# Altium PCB PCB4.PcbDoc (part 1 of 3)
Units mm, origin at the board's own origin, x right, y up, seen from the top; angles counter-clockwise.
Board outline 169 x 84.7 mm, 4 copper layers (Top Layer, GND, POWER, Bottom Layer), stack 1.564 mm thick; 189 components, 194 nets, 860 pads, 455 vias.
Unrouted connection lines stored in the file: 195.
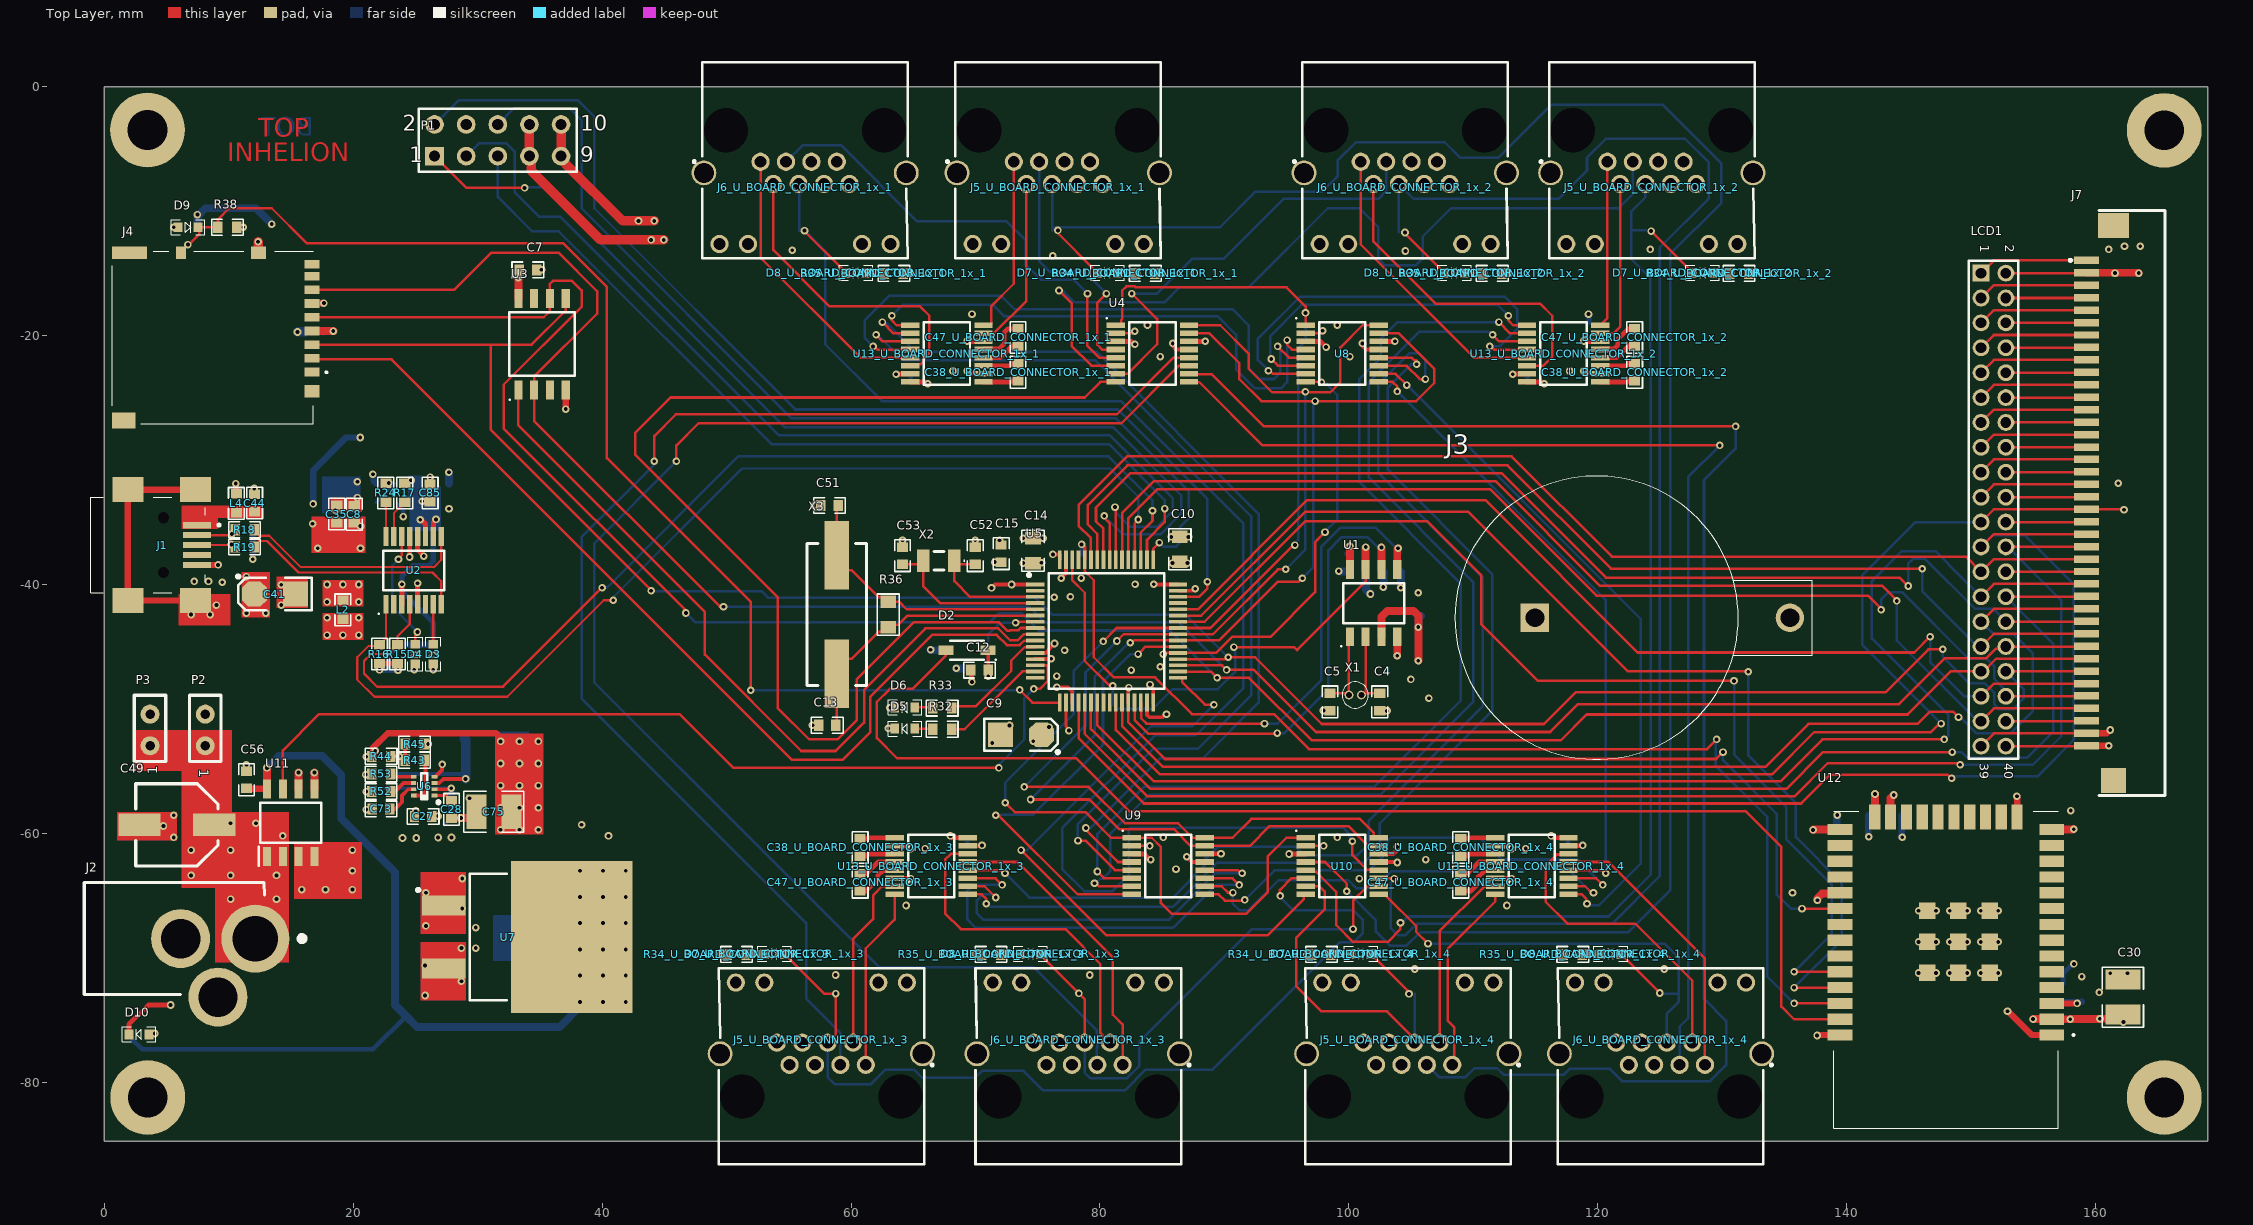
[diagram p0: Top Layer view]
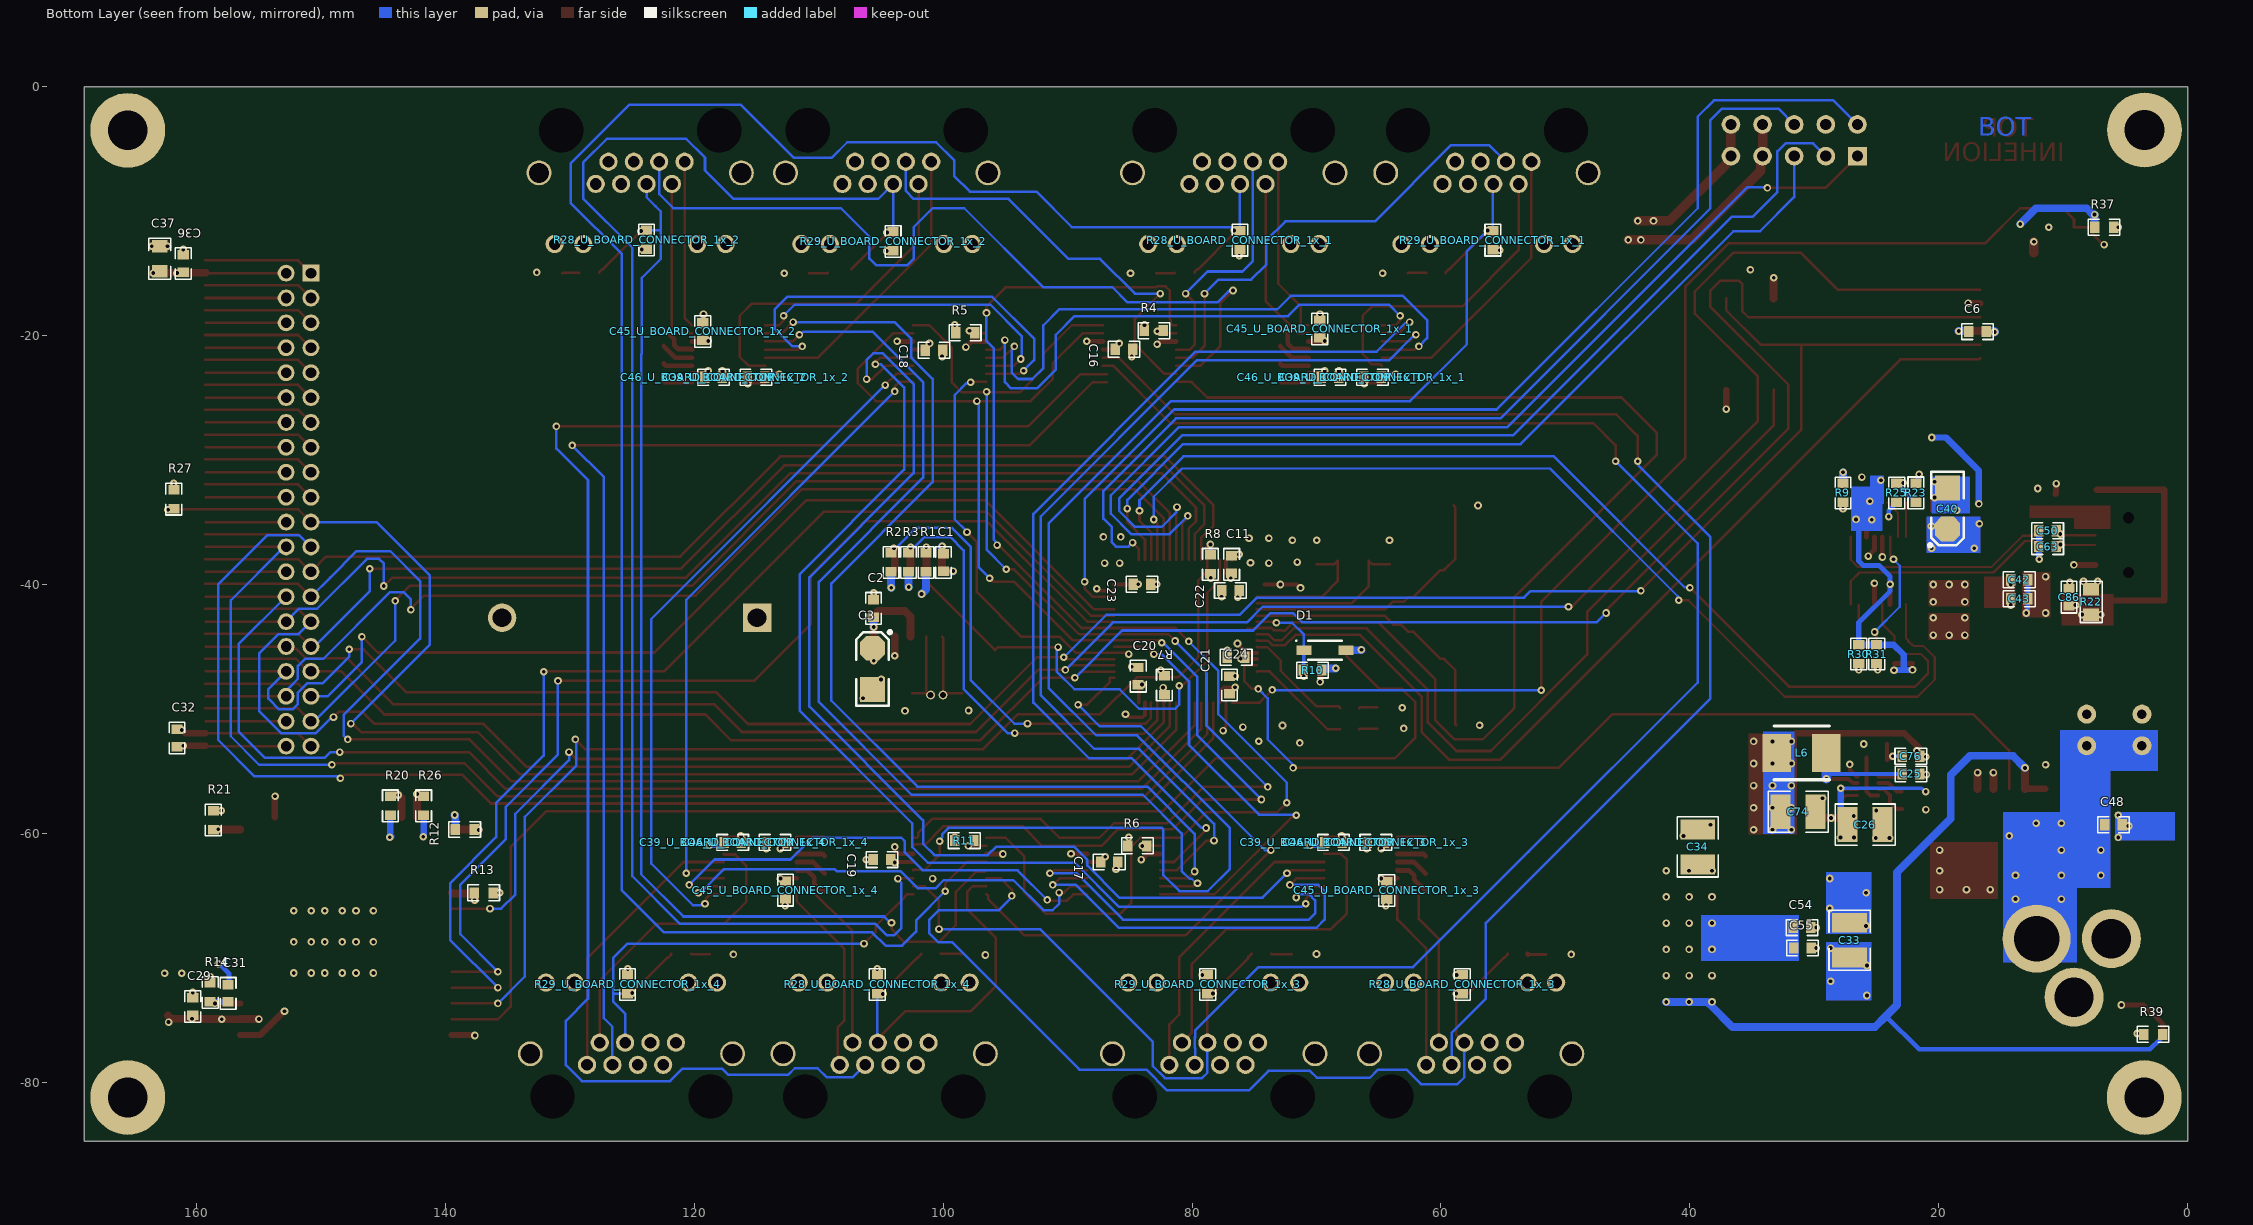
[diagram p1: Bottom Layer view, seen from below]
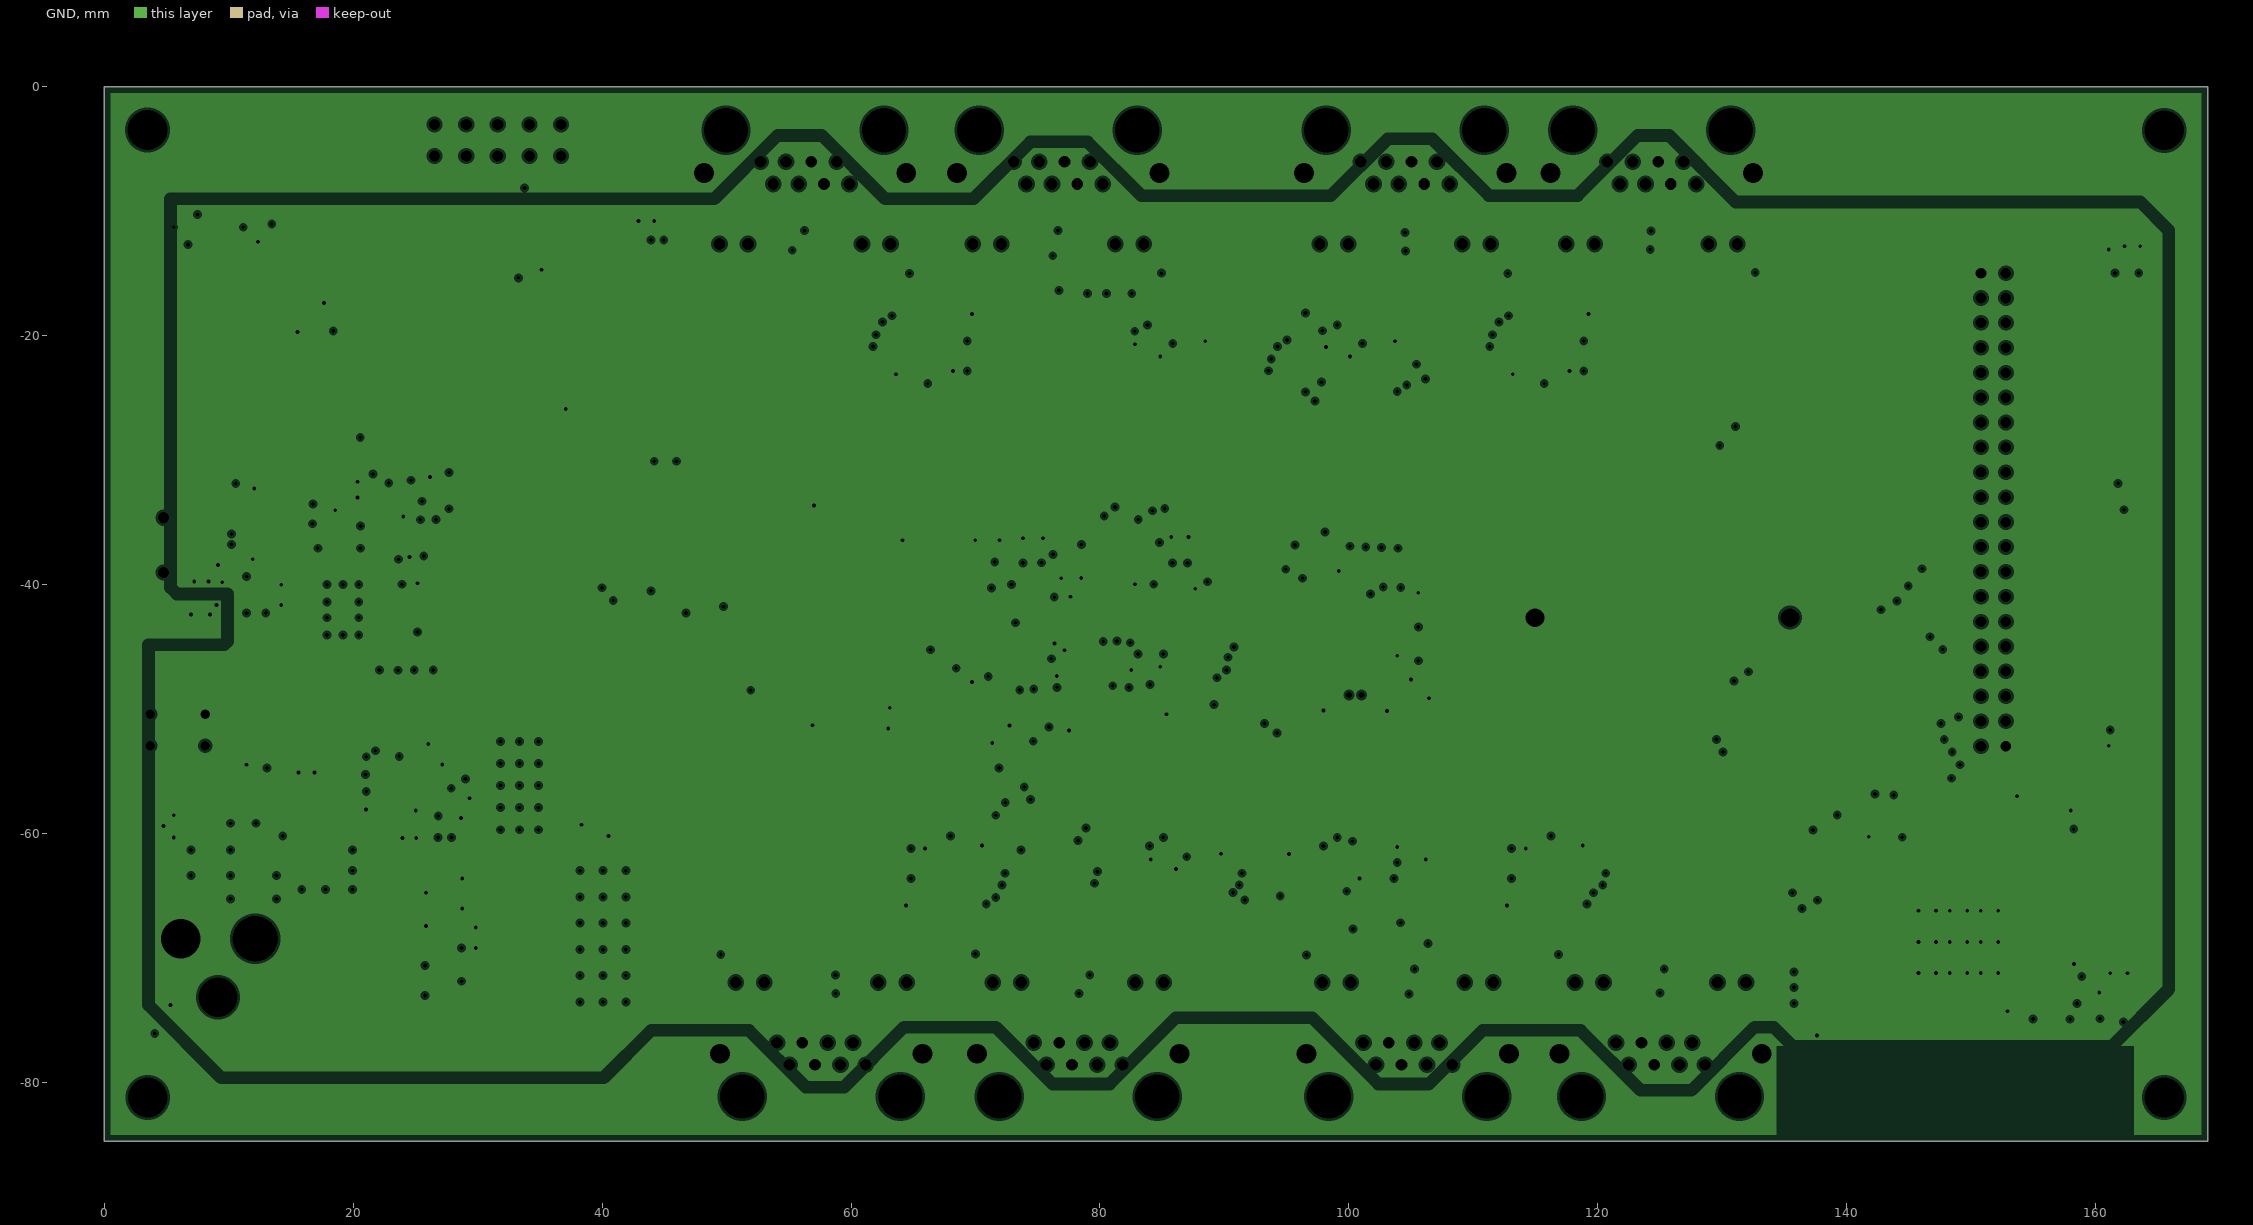
[diagram p2: GND, clearances drawn from the general rule]
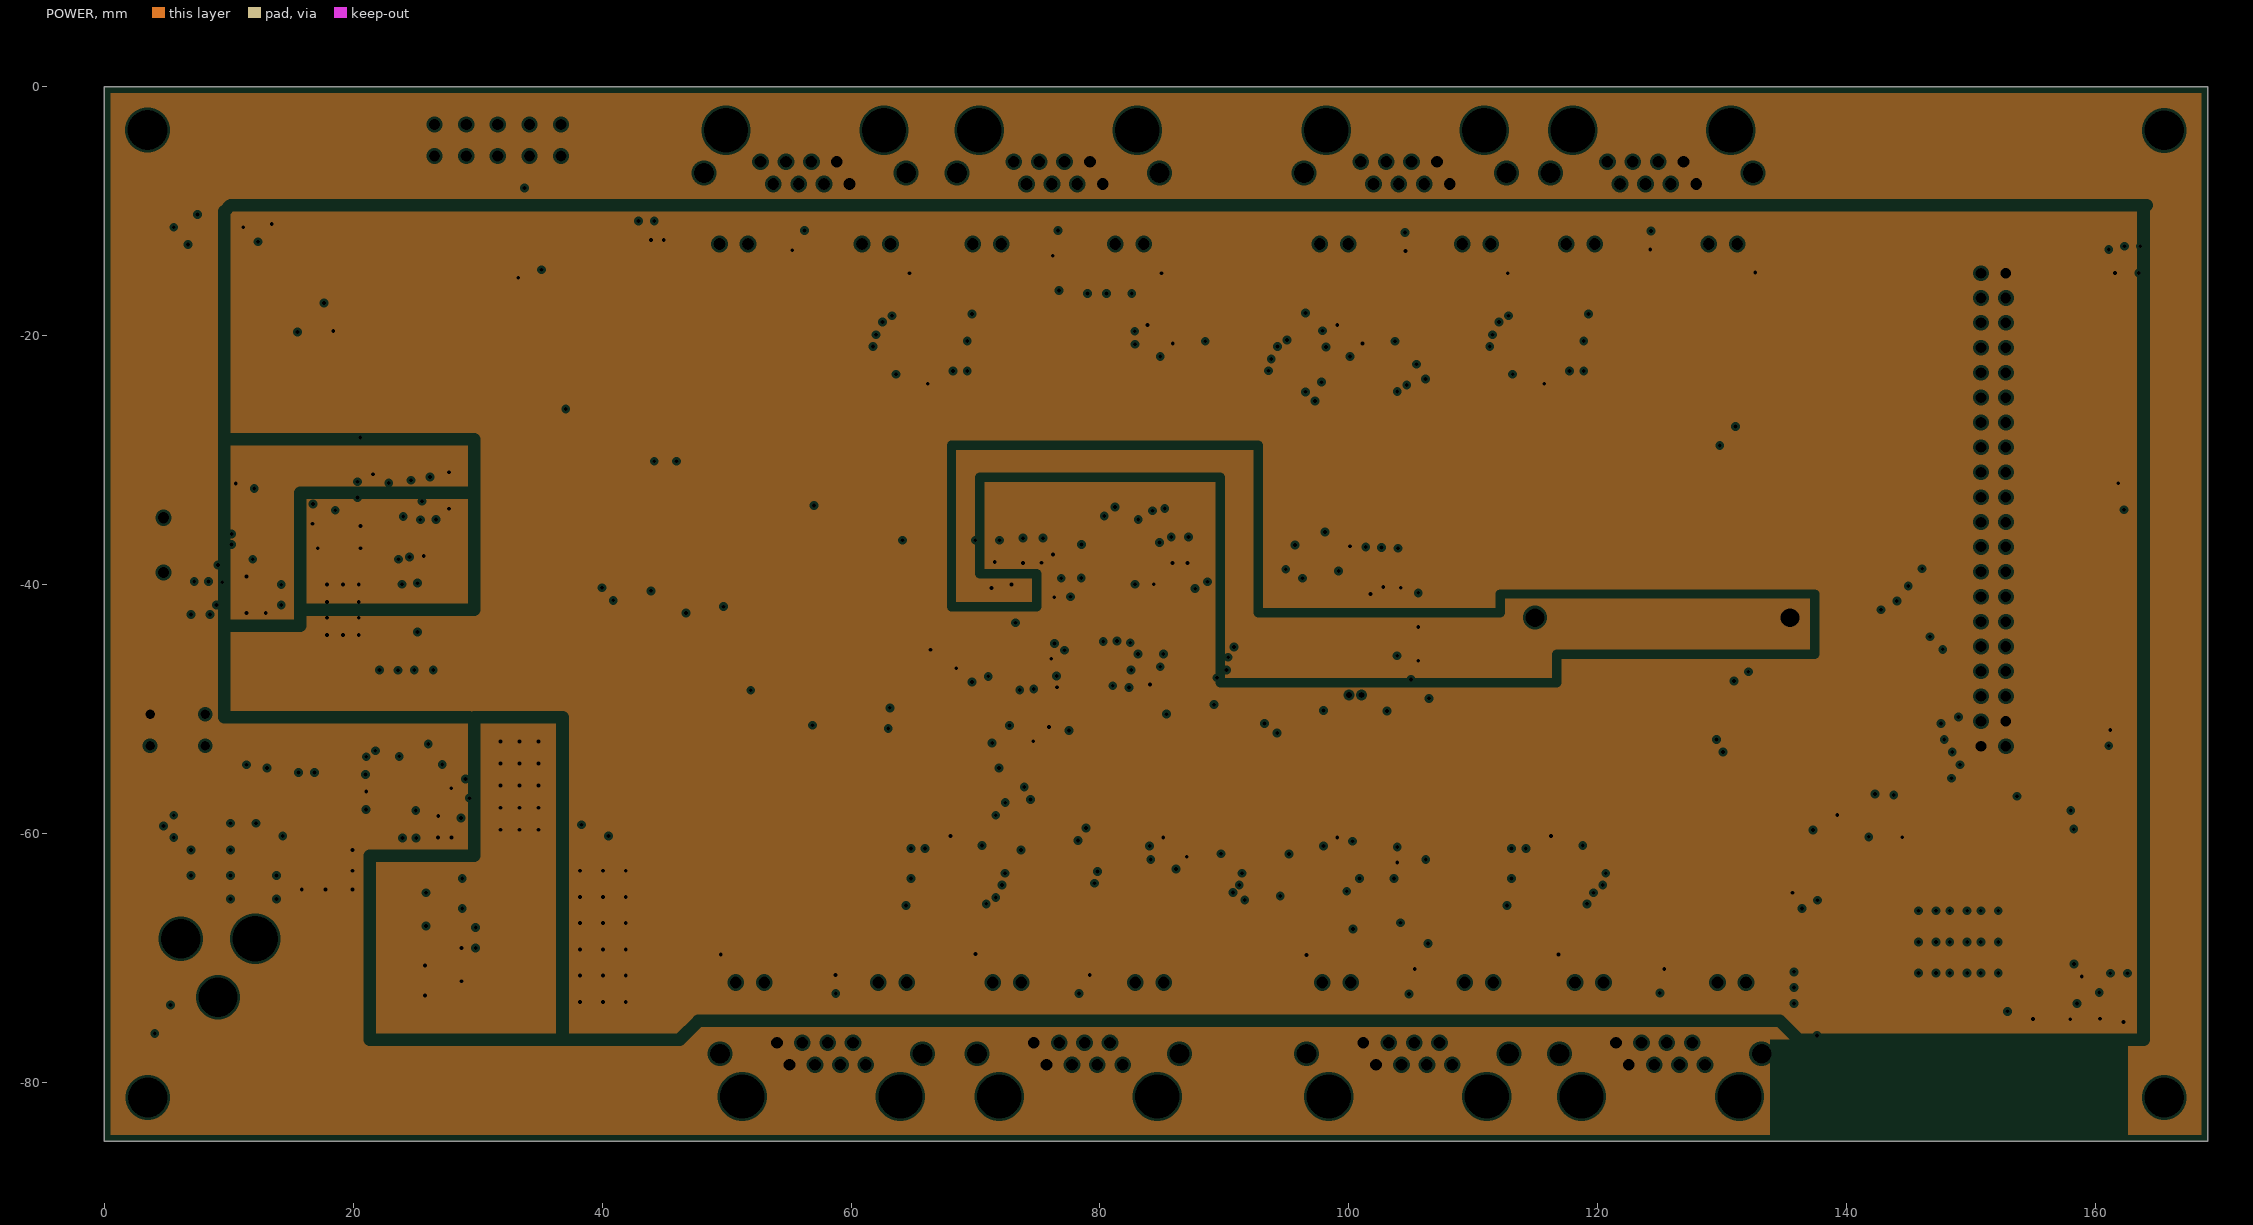
[diagram p3: POWER, clearances drawn from the general rule]
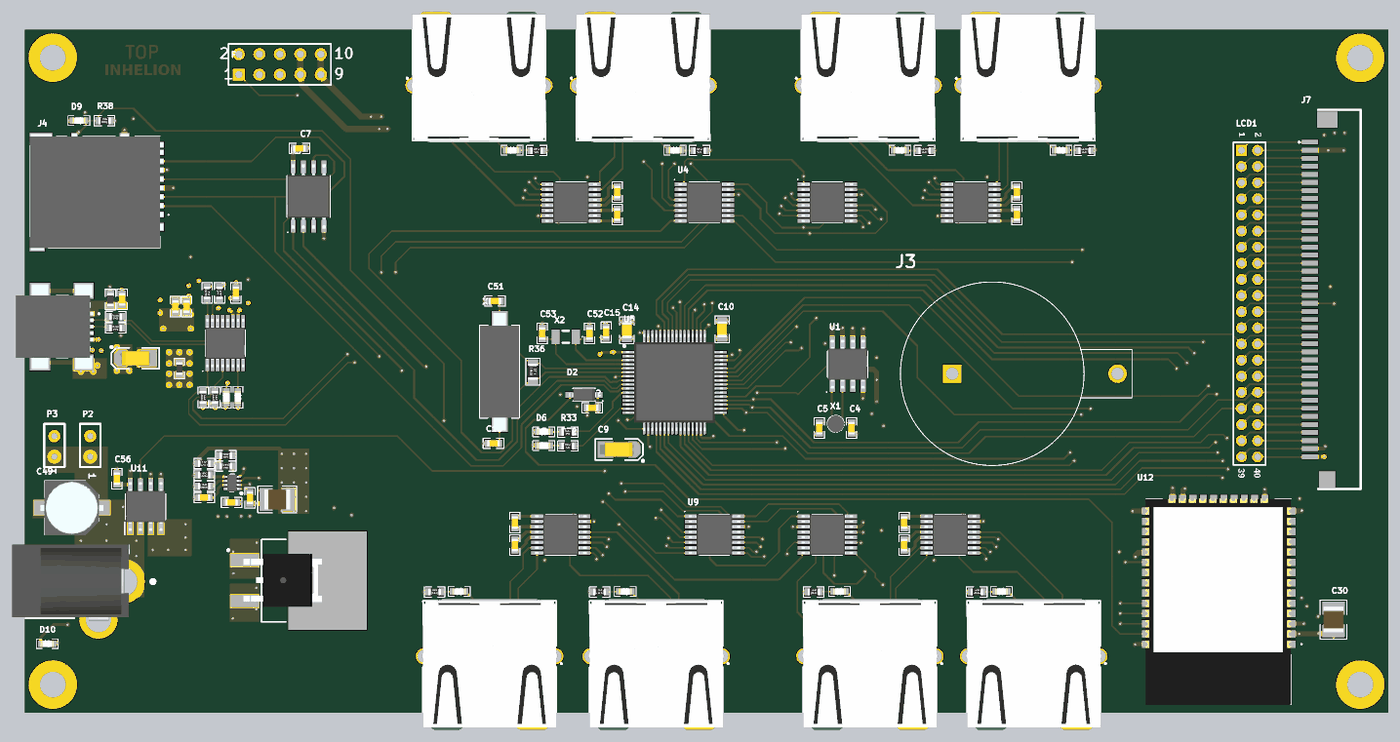
[diagram p6: 3D render of the assembled board from above, using the file's embedded part models]
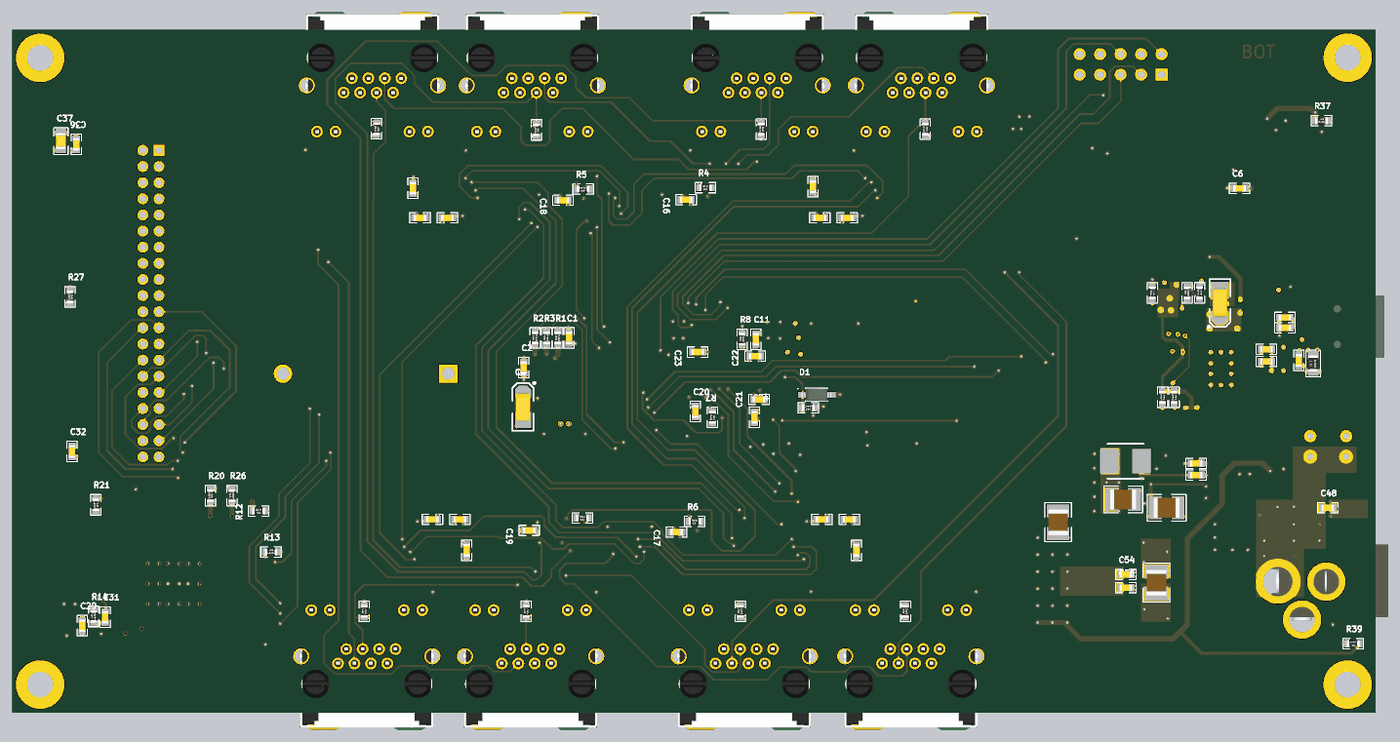
[diagram p7: 3D render of the assembled board from below, using the file's embedded part models]

## Layer stack, top to bottom
Top Solder: solder mask 0.0102, Solder Resist, Dk 3.5
Top Layer: signal copper 0.0356
Dielectric 2: prepreg 0.127, PP-006, Dk 4.1
GND: plane copper 0.035, net (Multiple Nets)
Dielectric 1: dielectric 1.1684, FR-4, Dk 4.8
POWER: plane copper 0.035, net (Multiple Nets)
Dielectric 3: prepreg 0.127, PP-006, Dk 4.1
Bottom Layer: signal copper 0.0356
Bottom Solder: solder mask 0.0102, Solder Resist, Dk 3.5

## Board outline
0,-84.7 0,0 169,0 169,-84.7

## Design rules (kind name [scope] priority, off if disabled: settings)
Clearance [All] p1: gap=0.178 ignorepadtopadclearanceinfootprint=TRUE
ComponentClearance [All] p1: gap=0 collisioncheckmode=3 verticalgap=0 showdistances=FALSE
DiffPairsRouting [All] p1: maxlimit=0.254 minlimit=0.254 mostfreqgap=0.254 toplayer_minwidth=0.178 toplayer_maxwidth=0.381 toplayer_prefwidth=0.178 bottomlayer_minwidth=0.178 bottomlayer_maxwidth=0.381 bottomlayer_prefwidth=0.254 maxuncoupledlength=12.7
HoleSize [All] p1: absolutevalues=TRUE maxlimit=5.08 minlimit=0.025 maxpercent=80.000 minpercent=20.000
MinimumSolderMaskSliver [All] p1: minsoldermaskwidth=0
PlaneClearance [All] p1: clearance=0.203
PlaneConnect [All] p1: planeconnectstyle=Relief reliefexpansion=0.203 reliefentries=4 reliefconductorwidth=0.381 reliefairgap=0.203
PolygonConnect [All] p1: connectstyle=Relief reliefconductorwidth=0.254 reliefentries=4 polygonreliefangle="90 Angle" airgapwidth=0.254
RoutingVias [All] p1: holewidth=0.305 width=0.61 viastyle="Through Hole" minholewidth=0.305 minwidth=0.61 maxholewidth=0.711 maxwidth=1.27
SilkToSilkClearance [All] p1: silktosilkclearance=0
SilkToSolderMaskClearance [IsPad] p1: minsilkscreentomaskgap=0 clearancetoexposedcopper=TRUE
SolderMaskExpansion [All] p1: expansion=0.102
Width [All] p1: maxlimit=1.27 minlimit=0.178 preferedwidth=0.178 minimp=50.000000 maximp=50.000000 favimp=50.000000
22 further rules are at their usual default settings.

## Classes and differential pairs
channel class BOARD_CONNECTOR_1x: U_BOARD_CONNECTOR_1x_1 U_BOARD_CONNECTOR_1x_2 U_BOARD_CONNECTOR_1x_3 U_BOARD_CONNECTOR_1x_4
net class WIFI_GPIO[3..1]: WIFI_GPIO1 WIFI_GPIO2 WIFI_GPIO3
net class V_SENSE[8..1]: V_SENSE1 V_SENSE2 V_SENSE3 V_SENSE4 V_SENSE5 V_SENSE6 V_SENSE7 V_SENSE8
net class CMD_TX[8..1]: CMD_TX1 CMD_TX2 CMD_TX3 CMD_TX4 CMD_TX5 CMD_TX6 CMD_TX7 CMD_TX8
net class CMD_RX[8..1]: CMD_RX1 CMD_RX2 CMD_RX3 CMD_RX4 CMD_RX5 CMD_RX6 CMD_RX7 CMD_RX8
net class BOARD_LSENSE[8..1]: BOARD_LSENSE1 BOARD_LSENSE2 BOARD_LSENSE3 BOARD_LSENSE4 BOARD_SENSE1 BOARD_SENSE2 BOARD_SENSE3 BOARD_SENSE4
component class U_SDCARD_FLASH: C6 C7 D9 J4 R37 R38 U3
component class U_LCD: C32 C36 C37 J7 LCD1 R27
component class U_BOARD_CONNECTOR_1x_4: C38_U_BOARD_CONNECTOR_1x_4 C39_U_BOARD_CONNECTOR_1x_4 C45_U_BOARD_CONNECTOR_1x_4 C46_U_BOARD_CONNECTOR_1x_4 C47_U_BOARD_CONNECTOR_1x_4 D7_U_BOARD_CONNECTOR_1x_4 D8_U_BOARD_CONNECTOR_1x_4 J5_U_BOARD_CONNECTOR_1x_4 J6_U_BOARD_CONNECTOR_1x_4 R28_U_BOARD_CONNECTOR_1x_4 R29_U_BOARD_CONNECTOR_1x_4 R34_U_BOARD_CONNECTOR_1x_4 R35_U_BOARD_CONNECTOR_1x_4 U13_U_BOARD_CONNECTOR_1x_4
component class U_BOARD_CONNECTOR_1x_3: C38_U_BOARD_CONNECTOR_1x_3 C39_U_BOARD_CONNECTOR_1x_3 C45_U_BOARD_CONNECTOR_1x_3 C46_U_BOARD_CONNECTOR_1x_3 C47_U_BOARD_CONNECTOR_1x_3 D7_U_BOARD_CONNECTOR_1x_3 D8_U_BOARD_CONNECTOR_1x_3 J5_U_BOARD_CONNECTOR_1x_3 J6_U_BOARD_CONNECTOR_1x_3 R28_U_BOARD_CONNECTOR_1x_3 R29_U_BOARD_CONNECTOR_1x_3 R34_U_BOARD_CONNECTOR_1x_3 R35_U_BOARD_CONNECTOR_1x_3 U13_U_BOARD_CONNECTOR_1x_3
component class U_BOARD_CONNECTOR_1x_2: C38_U_BOARD_CONNECTOR_1x_2 C39_U_BOARD_CONNECTOR_1x_2 C45_U_BOARD_CONNECTOR_1x_2 C46_U_BOARD_CONNECTOR_1x_2 C47_U_BOARD_CONNECTOR_1x_2 D7_U_BOARD_CONNECTOR_1x_2 D8_U_BOARD_CONNECTOR_1x_2 J6_U_BOARD_CONNECTOR_1x_2 R28_U_BOARD_CONNECTOR_1x_2 R29_U_BOARD_CONNECTOR_1x_2 R34_U_BOARD_CONNECTOR_1x_2 R35_U_BOARD_CONNECTOR_1x_2 U13_U_BOARD_CONNECTOR_1x_2
component class U_BOARD_CONNECTOR_1x_1: C38_U_BOARD_CONNECTOR_1x_1 C39_U_BOARD_CONNECTOR_1x_1 C45_U_BOARD_CONNECTOR_1x_1 C46_U_BOARD_CONNECTOR_1x_1 C47_U_BOARD_CONNECTOR_1x_1 D7_U_BOARD_CONNECTOR_1x_1 D8_U_BOARD_CONNECTOR_1x_1 J5_U_BOARD_CONNECTOR_1x_1 J6_U_BOARD_CONNECTOR_1x_1 R28_U_BOARD_CONNECTOR_1x_1 R29_U_BOARD_CONNECTOR_1x_1 R34_U_BOARD_CONNECTOR_1x_1 R35_U_BOARD_CONNECTOR_1x_1 U13_U_BOARD_CONNECTOR_1x_1
component class U_STM32: C9 C10 C11 C12 C13 C14 C15 C16 C17 C18 C19 C20 C21 C22 C23 C24 C51 C52 C53 D1 D2 D5 D6 P1 R4 R5 R6 R7 R8 R10 R11 R32 R33 R36 U4 U5 U8 U9 U10 X2 X3
component class U_RTC: C1 C2 C3 C4 C5 J3 R1 R2 R3 U1 X1
component class U_WIFI: C29 C30 C31 R12 R13 R14 R20 R21 R26 U12
component class U_FTDI: C8 C35 C40 C41 C42 C43 C44 C50 C63 C85 C86 D3 D4 J1 L2 L4 R9 R15 R16 R17 R18 R19 R22 R23 R24 R25 R30 R31 U2
component class U_POWER_CONTROLLER: C25 C26 C27 C28 C33 C34 C48 C49 C54 C55 C56 C73 C74 C75 C76 D10 J2 L6 P2 P3 R39 R43 R44 R45 R52 R53 U6 U7 U11
differential pair USBDP: +USBDP_P -USBDP_N
